# Altium PCB PCB SOM AM625.PcbDoc (part 2 of 6)
Units mm, origin at the board's own origin, x right, y up, seen from the top; angles counter-clockwise.
Board outline 92 x 91 mm, 6 copper layers (Top Layer, Layer 1, Layer 3, Layer 4, Layer 2, Bottom Layer), stack 1.56 mm thick; 479 components, 370 nets, 1722 pads, 744 vias.
Unrouted connection lines stored in the file: 13.
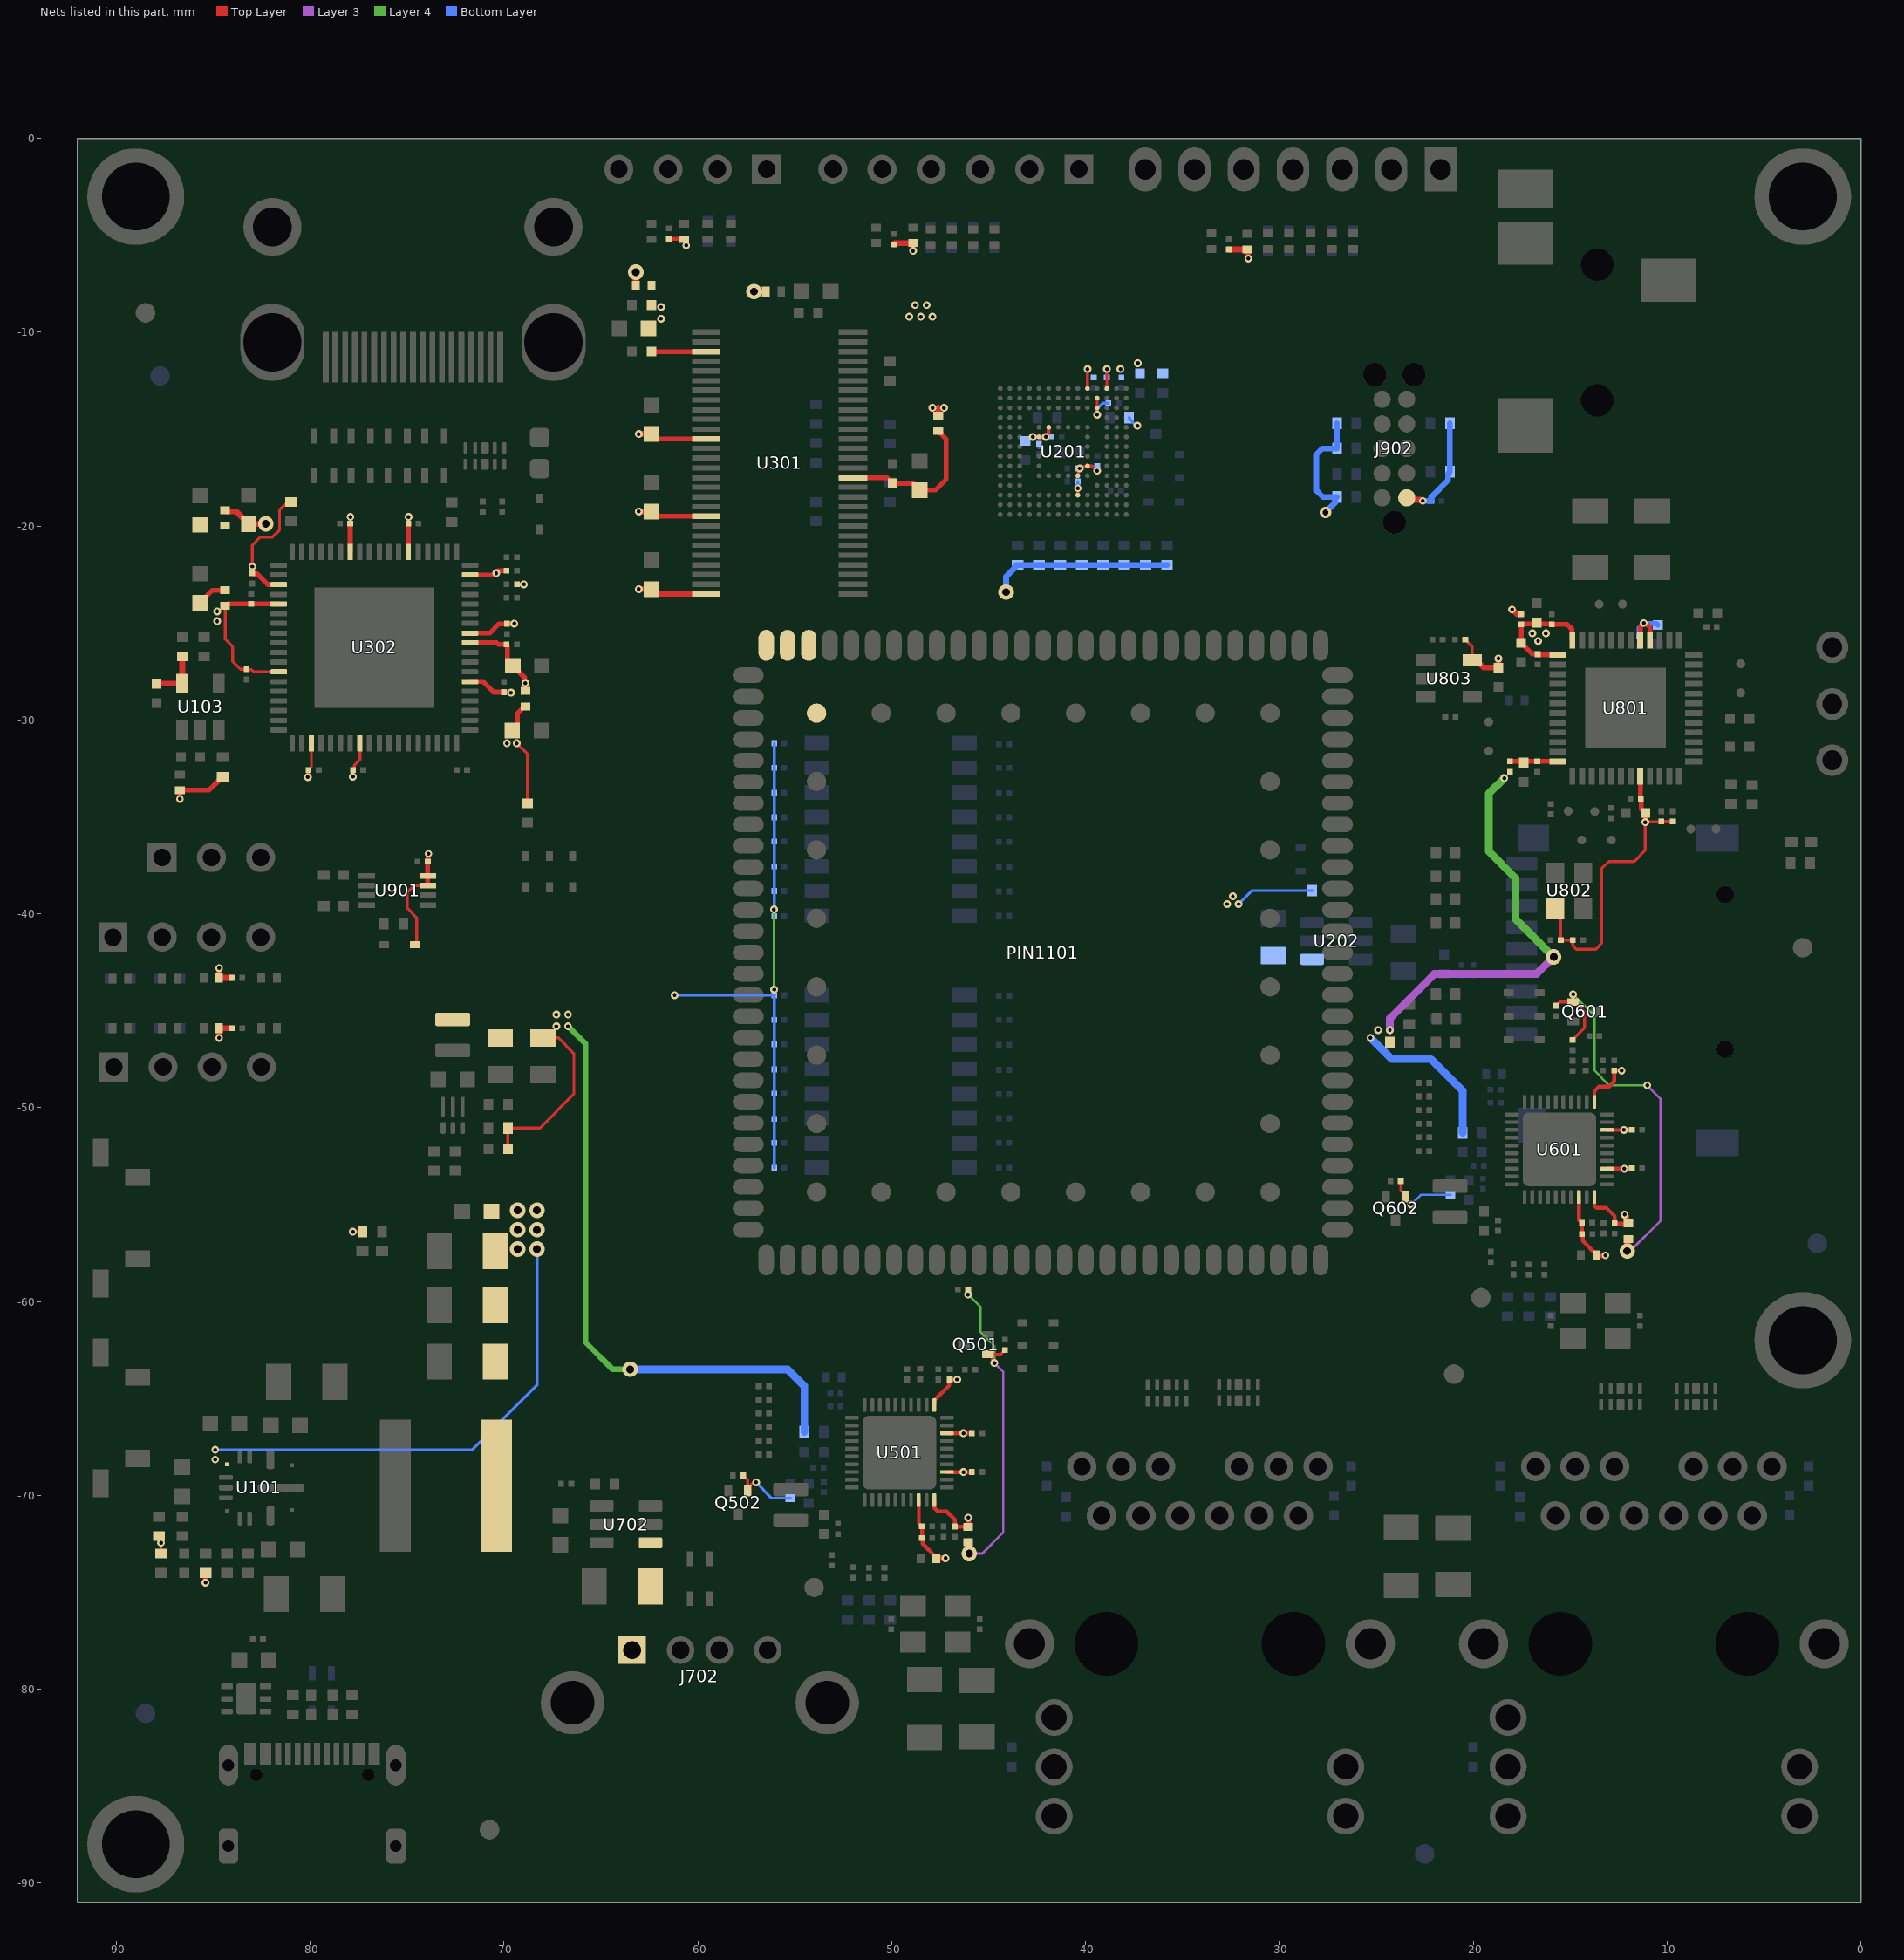
[diagram p6: the nets of this part, all layers, seen from the top]

## Footprints (in the part's own frame and the unit in brackets; to place one, negate y for a bottom-side part, rotate by r counter-clockwise, add the part's x,y. Pads: shape width x height; smd on the part's side, far side on the other; paste and mask are expansions set on the pad) (continued)
SUNTECH_ST-TF-003A [mm]
  rect 0.7x1.6 smd: 1(3.52,5.33) 2(2.42,5.33) 3(1.32,5.33) 4(0.22,5.33) 5(-0.88,5.33) 6(-1.98,5.33) 7(-3.08,5.33) 8(-4.18,5.33) 9(-5.28,5.33)
  rect 1.4x1.6 smd: 10(-6.58,4.73)
  rect 1.4x2.2 smd: 11(-6.58,-4.77) 12(9.12,-4.77)
  rect 1.8x1.4 smd: 13(8.22,4.83)
  round 0.9 hole 0.9 unplated: ""(-3.68,-5.17) ""(4.32,-5.17)
  Keep-Out Layer region: 4.172,-1.073 -4.833,-1.073 -4.833,0.928 4.172,0.928
  silkscreen extent -6.29,-9.66 8.7,5.33, body extent -6.95,-11.63 9.35,5.9, height 2.15
SW_416131160808 [mm]
  rect 1.27x0.76 smd: 1(-3.81,4.445) 2(-3.81,3.175) 3(-3.81,1.905) 4(-3.81,0.635) 5(-3.81,-0.635) 6(-3.81,-1.905) 7(-3.81,-3.175) 8(-3.81,-4.445) 9(3.81,-4.445) 10(3.81,-3.175) 11(3.81,-1.905) 12(3.81,-0.635) 13(3.81,0.635) 14(3.81,1.905) 15(3.81,3.175) 16(3.81,4.445)
  silkscreen extent -5.21,-5.67 2.9,5.67, body extent -4.22,-5.66 4.22,5.67, height 2.7
SW_TL3330_EWI [mil]
  rect 35x50 smd paste+0 mask+0: 1(-82.68,35) 2(82.68,35)
  rect 57x32 smd paste-28.5 mask-28.5: 3(-132.87,-40) 4(132.87,-40)
  silkscreen extent -198,-74 158,74, body extent -154,-91 154,51, height 138
"Test Point 1 MM" [mm] "Test Point 1 MM"
  round 1 smd: 0(0,0)
  silkscreen extent -0.75,-0.75 0.75,0.75
TP20_SMD [mil] "TP20_SMD"
  round 18 smd: 1(0,0)
  silkscreen extent -20,-20 20,20
TP_40X65 [mil] "TP_40X65"
  round 65 hole 40: 1(0,0)
  silkscreen extent -47,-47 47,47
VQFN48_19-68_285X285 [mil] "VQFN48_19-68_285X285"
  rect 34x12 smd: 1(-137.8,108.27) 2(-137.8,88.58) 3(-137.8,68.9) 4(-137.8,49.21) 5(-137.8,29.53) 6(-137.8,9.84) 7(-137.8,-9.84) 8(-137.8,-29.53) 9(-137.8,-49.21) 10(-137.8,-68.9) 11(-137.8,-88.58) 12(-137.8,-108.27) 25(137.8,-108.27) 26(137.8,-88.58) 27(137.8,-68.9) 28(137.8,-49.21) 29(137.8,-29.53) 30(137.8,-9.84) 31(137.8,9.84) 32(137.8,29.53) 33(137.8,49.21) 34(137.8,68.9) 35(137.8,88.58) 36(137.8,108.27)
  rect 12x34 smd: 13(-108.27,-137.8) 14(-88.58,-137.8) 15(-68.9,-137.8) 16(-49.21,-137.8) 17(-29.53,-137.8) 18(-9.84,-137.8) 19(9.84,-137.8) 20(29.53,-137.8) 21(49.21,-137.8) 22(68.9,-137.8) 23(88.58,-137.8) 24(108.27,-137.8) 37(108.27,137.8) 38(88.58,137.8) 39(68.9,137.8) 40(49.21,137.8) 41(29.53,137.8) 42(9.84,137.8) 43(-9.84,137.8) 44(-29.53,137.8) 45(-49.21,137.8) 46(-68.9,137.8) 47(-88.58,137.8) 48(-108.27,137.8)
  rect 164x164 smd: 49(0,0)
  silkscreen extent -175,-150 150,150, body extent -143,-143 143,143, height 55
VSON6_0D5_1D5X1D5X1MM [mm] "VSON6_0D5_1D5X1D5X1MM"
  rrect50% 0.6x0.25 smd: 1(-0.402,0.545) 2(-0.402,0.045) 3(-0.402,-0.455)
  rect 1x0.2 smd: 4(0.699,-0.455) 5(0.698,0.045) 6(0.699,0.545)
  silkscreen extent -0.89,-0.72 1.01,1.19, body extent -0.5,-0.7 1,0.8, height 1
wson6_0d65_2x2x0_8mm [mm]
  rrect33% 0.6x0.3 smd: 1(-1,0.65) 2(-1,0) 3(-1,-0.65) 4(1,-0.65) 5(1,0) 6(1,0.65)
  rrect20% 1x1.6 smd: 7(0,0)
  silkscreen extent -1.4,-1 1,1.4, body extent -1,-1 1,1, height 0.8
x4-smd-3_2x2_5x1_0mm [mil]
  rect 52x42 smd: 1(-45.28,-36.42) 2(45.28,-36.42) 3(45.28,36.42) 4(-45.28,36.42)
  silkscreen extent -90,-49 63,49, body extent -63,-49 63,49, height 24

## Part data
C101 C103 C105: library part CGA3E1X5R1C105K080AC, "Multilayer Ceramic Capacitor, 1 uF, 16 V, ± 10%, X5R, 0603 [1608 Metric]", Case Code (Imperial)=0603, Case Code (Metric)=1608, Dielectric=X5R, Manufacturer=TDK, Max Operating Temperature=85°C, Min Operating Temperature=-55°C, Package Quantity=4000, Ratings=AEC-Q200, Supplier Part Number 1=445-12457-1-ND, Tolerance=10%, Voltage Rating=16V, Capacitance=1uF, Case/Package=0603, Category="Ceramic Capacitors", ComponentLink1Description=http://www.farnell.com/datasheets/1936565.pdf?src-supplier=Farnell, ComponentLink1URL=http://www.farnell.com/datasheets/1936565.pdf?src-supplier=Farnell, ComponentLink2Description=https://product.tdk.com/info/en/documents/chara_sheet/CGA3E1X5R1C105K080AC.pdf?src-supplier=Digi-Key, ComponentLink2URL=https://product.tdk.com/info/en/documents/chara_sheet/CGA3E1X5R1C105K080AC.pdf?src-supplier=Digi-Key, ComponentLink3Description=https://product.tdk.com/info/en/catalog/datasheets/mlcc_automotive_general_en.pdf?ref_disty=digikey&src-supplier=Digi-Key, ComponentLink3URL=https://product.tdk.com/info/en/catalog/datasheets/mlcc_automotive_general_en.pdf?ref_disty=digikey&src-supplier=Digi-Key, ComponentLink4Description=https://datasheet.octopart.com/CGA3E1X5R1C105K080AC-TDK-datasheet-43366117.pdf?src-supplier=Newark, ComponentLink4URL=https://datasheet.octopart.com/CGA3E1X5R1C105K080AC-TDK-datasheet-43366117.pdf?src-supplier=Newark, ComponentLink5Description=http://product.tdk.com/capacitor/mlcc/detailed_information.php?lang=en&ref=jp&part_no=CGA3E1X5R1C105K080AC&src-supplier=Mouser, ComponentLink5URL=http://product.tdk.com/capacitor/mlcc/detailed_information.php?lang=en&ref=jp&part_no=CGA3E1X5R1C105K080AC&src-supplier=Mouser, ComponentLink6Description=http://product.tdk.com/en/catalog/datasheets/mlcc_automotive_general_en.pdf?src-supplier=Avnet, ComponentLink6URL=http://product.tdk.com/en/catalog/datasheets/mlcc_automotive_general_en.pdf?src-supplier=Avnet, Height=0.8mm, Lead Free=5697LeadFree, Length=1.6mm, Manufacturer Part Number=CGA3E1X5R1C105K080AC, Material=4241ConductorMaterial, Mount="Surface Mount", Packaging="Tape and Reel", Pricing 1="1=0.11, 10=0.072, 50=0.0432, 100=0.034, 500=0.02514, 1000=0.02081 (USD)", RoHS=Yes, RoHS Compliant=Yes, Series=CGA, Stock 1=37719, Supplier 1=Digi-Key, Termination=SMD/SMT, Voltage Rating (DC)=16V, Weight=7.1E-05oz, Width=0.8mm
C102 C104: library part C3216X5R1C106K160AA, "Multilayer Ceramic Capacitor, 10 uF, 16 V, ± 10%, X5R, 1206 [3216 Metric]", Manufacturer=TDK, Supplier Part Number 1=445-4052-1-ND, Category="Ceramic Capacitors", ComponentLink1Description=https://datasheet.ciiva.com/24216/c3216x5r1c106k160aa-265031-24216373.pdf?src-supplier=Mouser, ComponentLink1URL=https://datasheet.ciiva.com/24216/c3216x5r1c106k160aa-265031-24216373.pdf?src-supplier=Mouser, ComponentLink2Description=https://datasheet.ciiva.com/11788/0900766b80c1bb00-11788199.pdf?src-supplier=Rs, ComponentLink2URL=https://datasheet.ciiva.com/11788/0900766b80c1bb00-11788199.pdf?src-supplier=Rs, ComponentLink3Description=https://datasheet.ciiva.com/16384/e413-c-16384539.pdf?src-supplier=Future+Electronics, ComponentLink3URL=https://datasheet.ciiva.com/16384/e413-c-16384539.pdf?src-supplier=Future+Electronics, ComponentLink4Description=https://datasheet.ciiva.com/15192/getdatasheetpartid-726778-15192219.pdf?src-supplier=Verical, ComponentLink4URL=https://datasheet.ciiva.com/15192/getdatasheetpartid-726778-15192219.pdf?src-supplier=Verical, ComponentLink5Description=https://datasheet.ciiva.com/6289/tdkmlcccaprange-6289816.pdf?src-supplier=Digi-Key, ComponentLink5URL=https://datasheet.ciiva.com/6289/tdkmlcccaprange-6289816.pdf?src-supplier=Digi-Key, ComponentLink6Description=https://datasheet.ciiva.com/6289/tdkmlcccaprange-6289819.pdf?src-supplier=Digi-Key, ComponentLink6URL=https://datasheet.ciiva.com/6289/tdkmlcccaprange-6289819.pdf?src-supplier=Digi-Key, ComponentLink7Description=https://datasheet.ciiva.com/6191/1571323-6191005.pdf?src-supplier=Farnell, ComponentLink7URL=https://datasheet.ciiva.com/6191/1571323-6191005.pdf?src-supplier=Farnell, ComponentLink8Description=https://datasheet.ciiva.com/7770/1571323-7770223.pdf?src-supplier=Element14, ComponentLink8URL=https://datasheet.ciiva.com/7770/1571323-7770223.pdf?src-supplier=Element14, ComponentLink9Description=https://datasheet.ciiva.com/28451/1796654-28451976.pdf?src-supplier=Element14, ComponentLink9URL=https://datasheet.ciiva.com/28451/1796654-28451976.pdf?src-supplier=Element14, ComponentLink10Description=https://datasheet.ciiva.com/22719/1796654-22719558.pdf?src-supplier=Element14, ComponentLink10URL=https://datasheet.ciiva.com/22719/1796654-22719558.pdf?src-supplier=Element14, Manufacturer Part Number=C3216X5R1C106K160AA, Material=4241ConductorMaterial, Pricing 1="1=0.3, 10=0.194, 50=0.136, 100=0.1098, 500=0.08158, 1000=0.07138 (USD)", RoHS=Yes, Stock 1=12091, Supplier 1=Digi-Key
C106 C107 C108: library part C3216X5R1C476M160AB, "Multilayer Ceramic Capacitor, 47 uF, 16 V, ± 20%, X5R, 1206 [3216 Metric]", Case Code (Imperial)=1206, Case Code (Metric)=3216, Dielectric=X5R, Dielectric Material=Ceramic, Manufacturer=TDK, Max Operating Temperature=85°C, Min Operating Temperature=-55°C, Supplier Part Number 1=445-6003-1-ND, Tolerance=20%, Voltage Rating=16V, Capacitance=47uF, Case/Package=1206, Category="Ceramic Capacitors", ComponentLink1Description=https://datasheet.ciiva.com/22725/1913358-22725583.pdf?src-supplier=Element14, ComponentLink1URL=https://datasheet.ciiva.com/22725/1913358-22725583.pdf?src-supplier=Element14, ComponentLink2Description=https://datasheet.ciiva.com/22725/1913358-22725581.pdf?src-supplier=Element14, ComponentLink2URL=https://datasheet.ciiva.com/22725/1913358-22725581.pdf?src-supplier=Element14, ComponentLink3Description=https://datasheet.ciiva.com/6285/tdkmlcccaprange-6285563.pdf?src-supplier=Digi-Key, ComponentLink3URL=https://datasheet.ciiva.com/6285/tdkmlcccaprange-6285563.pdf?src-supplier=Digi-Key, ComponentLink4Description=https://datasheet.ciiva.com/6285/tdkmlcccaprange-6285560.pdf?src-supplier=Digi-Key, ComponentLink4URL=https://datasheet.ciiva.com/6285/tdkmlcccaprange-6285560.pdf?src-supplier=Digi-Key, ComponentLink5Description=https://datasheet.ciiva.com/6285/tdkmlcccaprange-6285566.pdf?src-supplier=Digi-Key, ComponentLink5URL=https://datasheet.ciiva.com/6285/tdkmlcccaprange-6285566.pdf?src-supplier=Digi-Key, ComponentLink6Description=https://datasheet.ciiva.com/24471/2972c3216x5r1c476m160ab-24471351.pdf?src-supplier=Onlinecomponents.com, ComponentLink6URL=https://datasheet.ciiva.com/24471/2972c3216x5r1c476m160ab-24471351.pdf?src-supplier=Onlinecomponents.com, ComponentLink7Description=https://datasheet.ciiva.com/16426/mlcc-commercial-general-en-16426989.pdf?src-supplier=Future+Electronics, ComponentLink7URL=https://datasheet.ciiva.com/16426/mlcc-commercial-general-en-16426989.pdf?src-supplier=Future+Electronics, Construction=Flat, Depth=1.6mm, Height=1.6mm, Lead Free="Lead Free", Length=3.2mm, Manufacturer Part Number=C3216X5R1C476M160AB, Material=4241ConductorMaterial, Mount="Surface Mount", Packaging="Tape and Reel", Pricing 1="1=0.97, 10=0.7, 50=0.6118, 100=0.4985, 500=0.40788, 1000=0.35123 (USD)", Reach SVHC Compliant=Unknown, RoHS=Yes, RoHS Compliant=Yes, Series=C, Stock 1=94632, Supplier 1=Digi-Key
C109 C110: library part C1608X7R1E104K080AA, "Multilayer Ceramic Capacitor, 0.1 uF, 25 V, ± 10%, X7R, 0603 [1608 Metric]", Case Code (Imperial)=0603, Case Code (Metric)=1608, Dielectric=X7R, Dielectric Material=4241ConductorMaterial, Manufacturer=TDK, Max Operating Temperature=125°C, Min Operating Temperature=-55°C, Package Quantity=4000, Tolerance=10%, VOLTAGE=25V, Capacitance=100nF, Case/Package=0603, Category="Ceramic Capacitors", ComponentLink1Description=https://datasheet.ciiva.com/22749/1744655-22749596.pdf?src-supplier=Element14, ComponentLink1URL=https://datasheet.ciiva.com/22749/1744655-22749596.pdf?src-supplier=Element14, ComponentLink2Description=https://datasheet.ciiva.com/6250/tdkmlcccaprange-6250455.pdf?src-supplier=Digi-Key, ComponentLink2URL=https://datasheet.ciiva.com/6250/tdkmlcccaprange-6250455.pdf?src-supplier=Digi-Key, ComponentLink3Description=https://datasheet.ciiva.com/6250/tdkmlcccaprange-6250454.pdf?src-supplier=Digi-Key, ComponentLink3URL=https://datasheet.ciiva.com/6250/tdkmlcccaprange-6250454.pdf?src-supplier=Digi-Key, ComponentLink4Description=https://datasheet.ciiva.com/6250/tdkmlcccaprange-6250456.pdf?src-supplier=Digi-Key, ComponentLink4URL=https://datasheet.ciiva.com/6250/tdkmlcccaprange-6250456.pdf?src-supplier=Digi-Key, Construction=Flat, Depth=0.8mm, Height=0.8mm, Lead Free=5697LeadFree, Length=1.6mm, Manufacturer Part Number=C1608X7R1E104K080AA, Material=4241ConductorMaterial, Mount="Surface Mount", Number of Pins=2NUMBER, Packaging="Tape and Reel", Pricing 1="1=0.0528, 10=0.0066 (USD)", Reach SVHC Compliant=No, RoHS=Yes, RoHS Compliant=Yes, Series=C, Stock 1=20, Supplier 1="Arrow Electronics", Supplier Part Number 1=C1608X7R1E104K080AA, Thickness=0.037inch, Voltage Rating=25V, Width=0.031inch
C111: library part CC0402FRNPO9BN360, "Capacitor Ceramic 36pF 50V C0G 1% 0402 Paper T/R", Manufacturer=Yageo, Supplier Part Number 1=13-CC0402FRNPO9BN360CT-ND, Category="Ceramic Capacitors", Manufacturer Part Number=CC0402FRNPO9BN360, Pricing 1="1=0.1, 10=0.048, 50=0.0278, 100=0.0215, 500=0.0162, 1000=0.01272, 2500=0.01156, 5000=0.01064 (USD)", RoHS=No, Stock 1=9940, Supplier 1=Digi-Key
C112 C311 C318 C319 C322 C323 C701 C703: library part C1608X5R1A106K080AC, "Multilayer Ceramic Capacitor, 10 uF, 10 V, ± 10%, X5R, 0603 [1608 Metric]", Case/Package=0603, Case Code (Metric)=1608, Dielectric=X5R, Dielectric Material=Ceramic, Manufacturer=TDK, Max Operating Temperature=85°C, Min Operating Temperature=-55°C, Package Quantity=1, Tolerance=10%, VOLTAGE=10V, Capacitance=10uF, Case Code (Imperial)=0603, Category="Ceramic Capacitors", ComponentLink1Description=https://datasheet.ciiva.com/23802/1796654-23802763.pdf?src-supplier=Newark, ComponentLink1URL=https://datasheet.ciiva.com/23802/1796654-23802763.pdf?src-supplier=Newark, ComponentLink2Description=https://datasheet.ciiva.com/7975/1796654-7975065.pdf?src-supplier=Element14, ComponentLink2URL=https://datasheet.ciiva.com/7975/1796654-7975065.pdf?src-supplier=Element14, ComponentLink3Description=https://datasheet.ciiva.com/22694/1796654-22694118.pdf?src-supplier=Element14, ComponentLink3URL=https://datasheet.ciiva.com/22694/1796654-22694118.pdf?src-supplier=Element14, ComponentLink4Description=https://datasheet.ciiva.com/28577/mlcc-commercial-general-en-28577085.pdf?src-supplier=Element14, ComponentLink4URL=https://datasheet.ciiva.com/28577/mlcc-commercial-general-en-28577085.pdf?src-supplier=Element14, ComponentLink5Description=https://datasheet.ciiva.com/28577/1744655-28577071.pdf?src-supplier=Element14, ComponentLink5URL=https://datasheet.ciiva.com/28577/1744655-28577071.pdf?src-supplier=Element14, ComponentLink6Description=https://datasheet.ciiva.com/6288/tdkmlcccaprange-6288222.pdf?src-supplier=Digi-Key, ComponentLink6URL=https://datasheet.ciiva.com/6288/tdkmlcccaprange-6288222.pdf?src-supplier=Digi-Key, ComponentLink7Description=https://datasheet.ciiva.com/6288/tdkmlcccaprange-6288220.pdf?src-supplier=Digi-Key, ComponentLink7URL=https://datasheet.ciiva.com/6288/tdkmlcccaprange-6288220.pdf?src-supplier=Digi-Key, ComponentLink8Description=https://datasheet.ciiva.com/6288/tdkmlcccaprange-6288223.pdf?src-supplier=Digi-Key, ComponentLink8URL=https://datasheet.ciiva.com/6288/tdkmlcccaprange-6288223.pdf?src-supplier=Digi-Key, ComponentLink9Description=https://datasheet.ciiva.com/16449/mlcc-commercial-general-en-16449573.pdf?src-supplier=Future+Electronics, ComponentLink9URL=https://datasheet.ciiva.com/16449/mlcc-commercial-general-en-16449573.pdf?src-supplier=Future+Electronics, ComponentLink10Description=https://datasheet.ciiva.com/48671/e412-c-48671301.pdf?src-supplier=Avnet, ComponentLink10URL=https://datasheet.ciiva.com/48671/e412-c-48671301.pdf?src-supplier=Avnet, Construction=Flat, Depth=0.8mm, Height=0.8mm, Lead Free="Lead Free", Length=1.6mm, Manufacturer Part Number=C1608X5R1A106K080AC, Material=4241ConductorMaterial, Mount="Surface Mount", Number of Pins=2, Packaging="Tape and Reel", Pricing 1="1=0.263, 10=0.156, 25=0.1544, 50=0.1444, 100=0.1124, 250=0.1113, 500=0.1094, 1000=0.0748, 3000=0.0665 (USD)", Reach SVHC Compliant=No, RoHS=Yes, RoHS Compliant=Yes, Series=C, Stock 1=3399, Supplier 1="Arrow Electronics", Supplier Part Number 1=C1608X5R1A106K080AC, Termination=SMD/SMT, Thickness=0.035inch, Voltage Rating=10V, Voltage Rating (DC)=10V, Weight=7.1E-05oz, Width=0.031inch
C113: library part C0402C121J3GAC7867, "Cap Ceramic 120pF 25V C0G 5% SMD 0402 125°C Paper T/R", Manufacturer=KEMET, Supplier Part Number 1=399-14880-1-ND, Category="Ceramic Capacitors", ComponentLink1Description=https://api.kemet.com/component-edge/download/datasheet/C0402C121J3GAC7867.pdf?src-supplier=Digi-Key, ComponentLink1URL=https://api.kemet.com/component-edge/download/datasheet/C0402C121J3GAC7867.pdf?src-supplier=Digi-Key, Manufacturer Part Number=C0402C121J3GAC7867, Pricing 1="1=0.1, 10=0.033, 50=0.0188, 100=0.0146, 500=0.01096, 1000=0.00861, 2500=0.00783, 5000=0.0072 (USD)", RoHS=Yes, Stock 1=88769, Supplier 1=Digi-Key
C114 C115 C213 C214: library part CC0805MKX5R8BB226, "Multilayer Ceramic Capacitor, 22 uF, 25 V, ± 20%, X6S, 0805 [2012 Metric]", Manufacturer=Yageo, Supplier Part Number 1=1151527, Category="Ceramic Capacitors", ComponentLink1Description=http://www.mouser.com/ds/2/447/Yageo_UPY-GP_NP0_16V-to-50V_9-358835.pdf?src-supplier=Mouser, ComponentLink1URL=http://www.mouser.com/ds/2/447/Yageo_UPY-GP_NP0_16V-to-50V_9-358835.pdf?src-supplier=Mouser, ComponentLink2Description=https://datasheet.octopart.com/CC0805MKX5R8BB226-Yageo-datasheet-137700085.pdf?src-supplier=Future+Electronics, ComponentLink2URL=https://datasheet.octopart.com/CC0805MKX5R8BB226-Yageo-datasheet-137700085.pdf?src-supplier=Future+Electronics, ComponentLink3Description=http://www.yageo.com/documents/recent/UPY-GPHC_X5R_4V-to-50V_25.pdf?src-supplier=Digi-Key, ComponentLink3URL=http://www.yageo.com/documents/recent/UPY-GPHC_X5R_4V-to-50V_25.pdf?src-supplier=Digi-Key, Manufacturer Part Number=CC0805MKX5R8BB226, Material=4241ConductorMaterial, Pricing 1="1=0.375, 15=0.3, 75=0.255, 300=0.215, 1500=0.172 (USD)", RoHS=Yes, Stock 1=10, Supplier 1="Future Electronics"
C116 C117: library part CC0402KRX5R6BB105, "Multilayer Ceramic Capacitor, 1 uF, 16 V, ± 20%, C0G (NP0), 0201 [0603 Metric]", Case/Package=0402, Case Code (Metric)=1005, Dielectric=X5R, Manufacturer=Yageo, Max Operating Temperature=85°C, Min Operating Temperature=-55°C, Package Quantity=1, Supplier Part Number 1=7826878, Temperature Coefficient=30ppm/°C, Tolerance=10%, Voltage Rating=10V, Capacitance=1uF, Case Code (Imperial)=0402, Category="Ceramic Capacitors", ComponentLink1Description=https://datasheet.ciiva.com/176/upy-gphc-x5r-4v-to-50v-12-176704.pdf?src-supplier=Digi-Key, ComponentLink1URL=https://datasheet.ciiva.com/176/upy-gphc-x5r-4v-to-50v-12-176704.pdf?src-supplier=Digi-Key, ComponentLink2Description=https://datasheet.ciiva.com/176/mlccorderingcode-176705.pdf?src-supplier=Digi-Key, ComponentLink2URL=https://datasheet.ciiva.com/176/mlccorderingcode-176705.pdf?src-supplier=Digi-Key, ComponentLink3Description=https://datasheet.ciiva.com/176/mlccorderingcode-176706.pdf?src-supplier=Digi-Key, ComponentLink3URL=https://datasheet.ciiva.com/176/mlccorderingcode-176706.pdf?src-supplier=Digi-Key, Construction=Flat, Depth=0.5mm, Dissipation Factor=15%, Height=0.5mm, Length=1mm, Manufacturer Part Number=CC0402KRX5R6BB105, Mount="Surface Mount", Number of Pins=2, Packaging="Tape and Reel", Pricing 1="10000=0.0105, 30000=0.0101, 50000=0.0098, 100000=0.0095, 200000=0.0091 (USD)", Radiation Hardening=No, Reach SVHC Compliant=No, RoHS=Yes, RoHS Compliant=Yes, Series=CC, Stock 1=11730000, Supplier 1="Future Electronics", Termination=SMD/SMT, Thickness=0.022inch, Voltage Rating (DC)=10V, Width=0.02inch
C201 C202 C203 C204 C206 C207 C208 C209 C210 C212 C216 C217 C312 C313 C314 C315 C316 C317 C320 C321 C324 C325 C326 C327 C702 C705 C901 C902 C903 C904 C905 C906 C907: library part CC0201KRX5R6BB104, "Multilayer Ceramic Capacitor, 0.1 uF, 16 V, ± 10%, X5R, 0201 [0603 Metric]", Case/Package=0201, Case Code (Metric)=0603, Dielectric=X5R, Manufacturer=Yageo, Max Operating Temperature=85°C, Min Operating Temperature=-55°C, Supplier Part Number 1=5050553, Tolerance=10%, Voltage Rating=10V, Capacitance=100nF, Case Code (Imperial)=0201, Category="Ceramic Capacitors", ComponentLink1Description=https://datasheet.ciiva.com/11587/upy-gphc-x5r-4v-to-50v-12-11587190.pdf?src-supplier=Avnet, ComponentLink1URL=https://datasheet.ciiva.com/11587/upy-gphc-x5r-4v-to-50v-12-11587190.pdf?src-supplier=Avnet, Construction=Flat, Depth=0.3mm, Halogen Free=5694HalogenFree, Height=0.3mm, Lead Free=5697LeadFree, Length=0.6mm, Manufacturer Part Number=CC0201KRX5R6BB104, Material=4241ConductorMaterial, Mount="Surface Mount", Packaging="Tape and Reel", Pricing 1="15000=0.0027, 60000=0.0026, 150000=0.0025, 375000=0.0024, 600000=0.0023 (USD)", Radiation Hardening=No, RoHS=Yes, RoHS Compliant=Yes, Series=CC, Stock 1=10410000, Supplier 1="Future Electronics", Termination=SMD/SMT, Voltage Rating (DC)=10V, Weight=6E-06oz
C205 C211 C215 C301 C501 C505 C514 C601 C605 C614: library part CC0402MRX5R5BB475, "Multilayer Ceramic Capacitor, 4.7 uF, 6.3V, ± 10%, X5R, 0402 [1005 Metric]", Manufacturer=Yageo, Supplier Part Number 1=7044477, Temperature Coefficient=30ppm/°C, Category="Ceramic Capacitors", ComponentLink1Description=http://www.mouser.com/ds/2/447/UPY-GPHC_X5R_4V-to-50V_25-1131599.pdf?src-supplier=Mouser, ComponentLink1URL=http://www.mouser.com/ds/2/447/UPY-GPHC_X5R_4V-to-50V_25-1131599.pdf?src-supplier=Mouser, ComponentLink2Description=https://datasheet.octopart.com/CC0402MRX5R5BB475-Yageo-datasheet-140260304.pdf?src-supplier=Newark, ComponentLink2URL=https://datasheet.octopart.com/CC0402MRX5R5BB475-Yageo-datasheet-140260304.pdf?src-supplier=Newark, ComponentLink3Description=https://datasheet.octopart.com/CC0402MRX5R5BB475-Yageo-datasheet-137875056.pdf?src-supplier=Future+Electronics, ComponentLink3URL=https://datasheet.octopart.com/CC0402MRX5R5BB475-Yageo-datasheet-137875056.pdf?src-supplier=Future+Electronics, ComponentLink4Description=http://www.yageo.com/documents/recent/UPY-GPHC_X5R_4V-to-50V_25.pdf?src-supplier=Digi-Key, ComponentLink4URL=http://www.yageo.com/documents/recent/UPY-GPHC_X5R_4V-to-50V_25.pdf?src-supplier=Digi-Key, ComponentLink5Description=http://www.yageo.com/exep/pages/download/literatures/ProductSelectionGuide%202014_Final_2.pdf?src-supplier=Digi-Key, ComponentLink5URL=http://www.yageo.com/exep/pages/download/literatures/ProductSelectionGuide%202014_Final_2.pdf?src-supplier=Digi-Key, ComponentLink6Description=http://www.yageo.com/documents/recent/UPY-GPHC_X5R_4V-to-50V_12.pdf?src-supplier=Avnet, ComponentLink6URL=http://www.yageo.com/documents/recent/UPY-GPHC_X5R_4V-to-50V_12.pdf?src-supplier=Avnet, ComponentLink7Description=https://datasheet.octopart.com/CC0402MRX5R5BB475-Yageo-datasheet-149070021.pdf?src-supplier=TME, ComponentLink7URL=https://datasheet.octopart.com/CC0402MRX5R5BB475-Yageo-datasheet-149070021.pdf?src-supplier=TME, Manufacturer Part Number=CC0402MRX5R5BB475, Material=4241ConductorMaterial, Pricing 1="10000=0.0195, 20000=0.019, 40000=0.0186, 50000=0.0185, 150000=0.0176 (USD)", RoHS=Yes, Stock 1=240000, Supplier 1="Future Electronics"